# Altium PCB Analog_Modul.PcbDoc
Units mm, origin at the board's own origin, x right, y up, seen from the top; angles counter-clockwise.
Board outline 48 x 50.95 mm, 2 copper layers (Top Layer, Bottom Layer); 91 components, 67 nets, 367 pads, 112 vias.
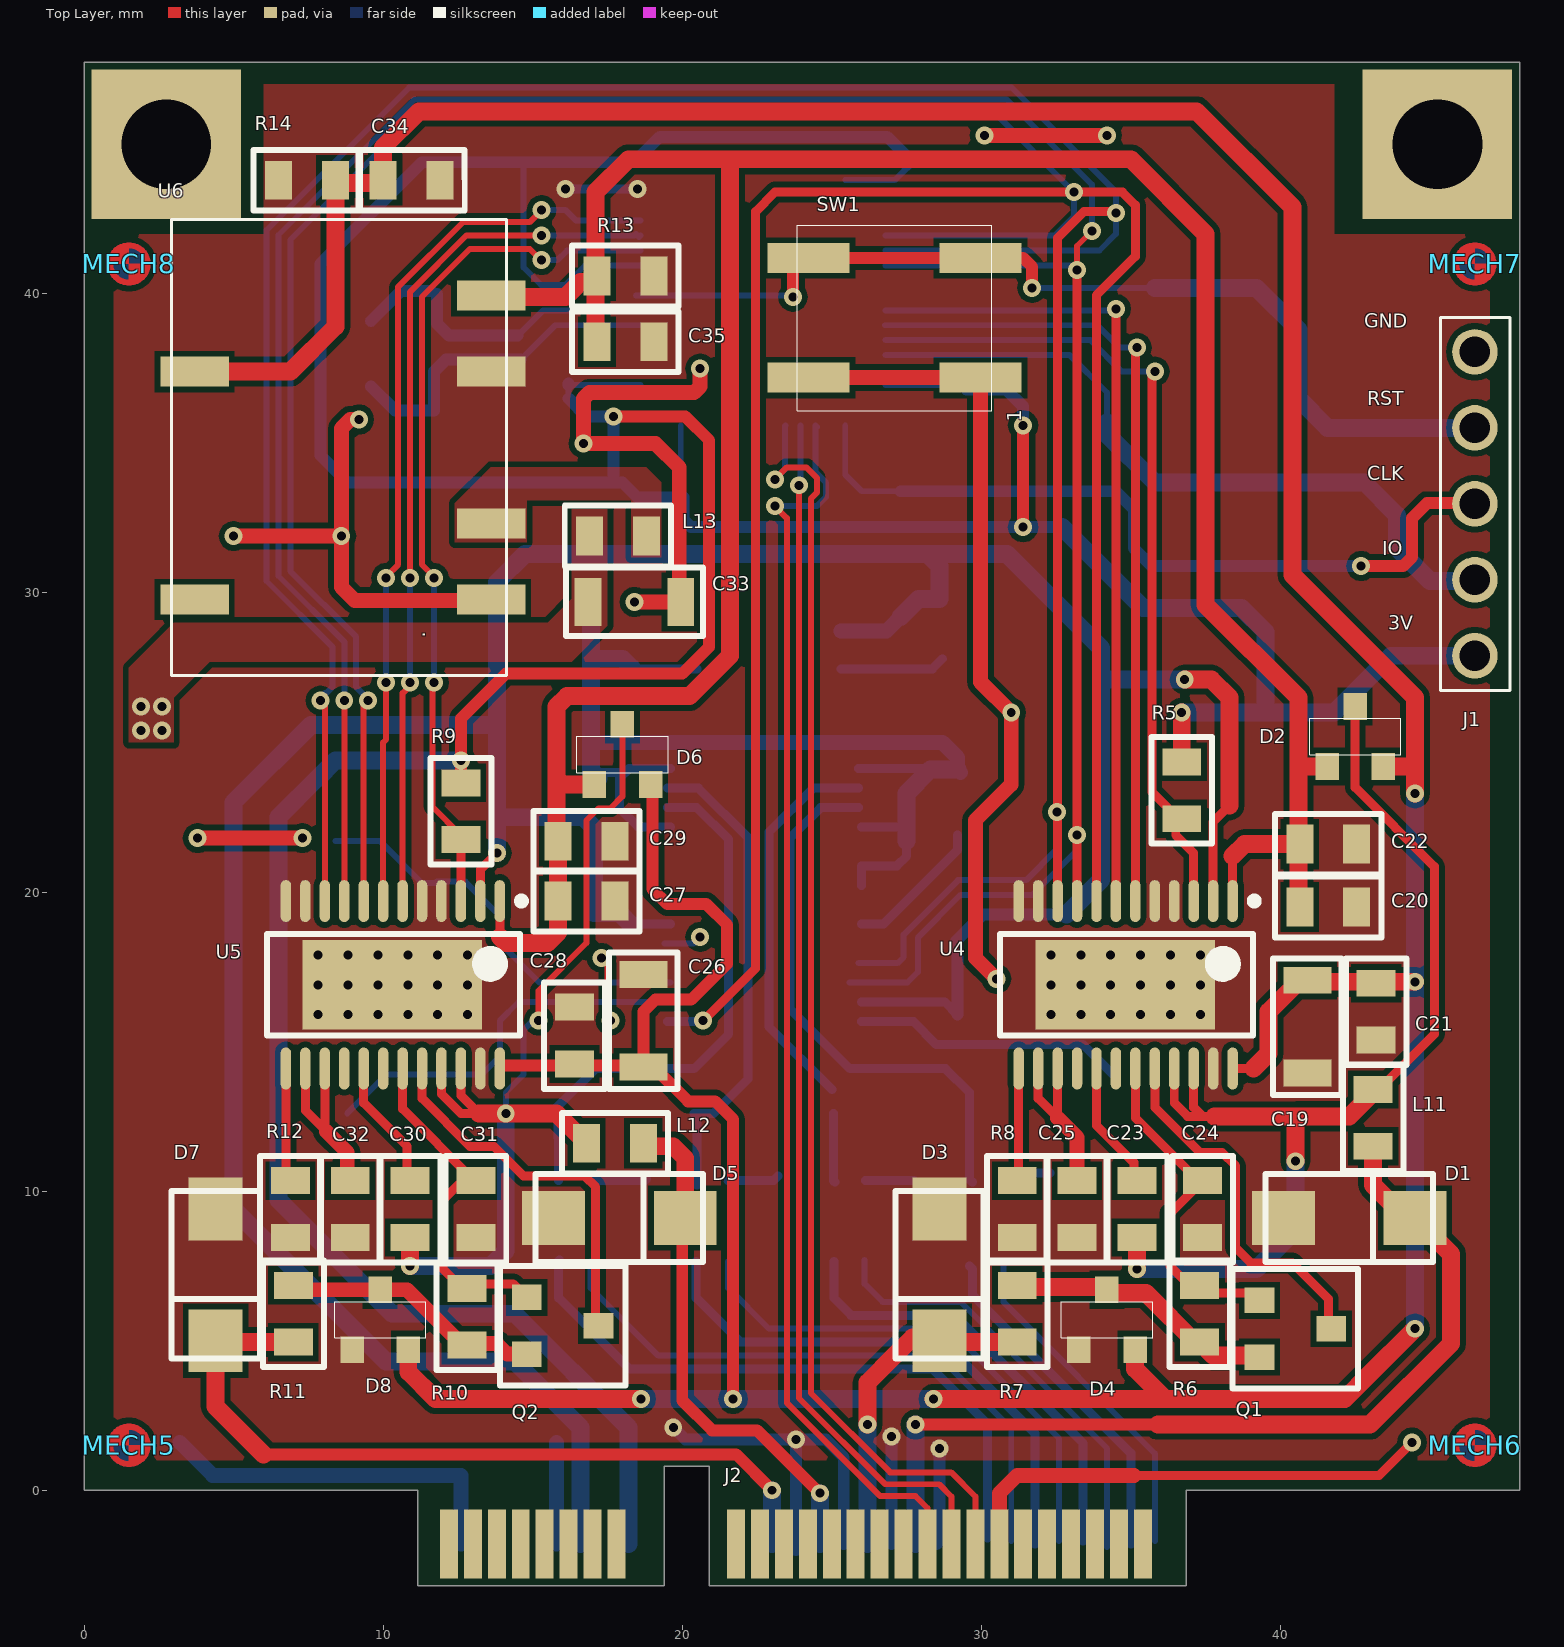
[diagram p0: Top Layer view]
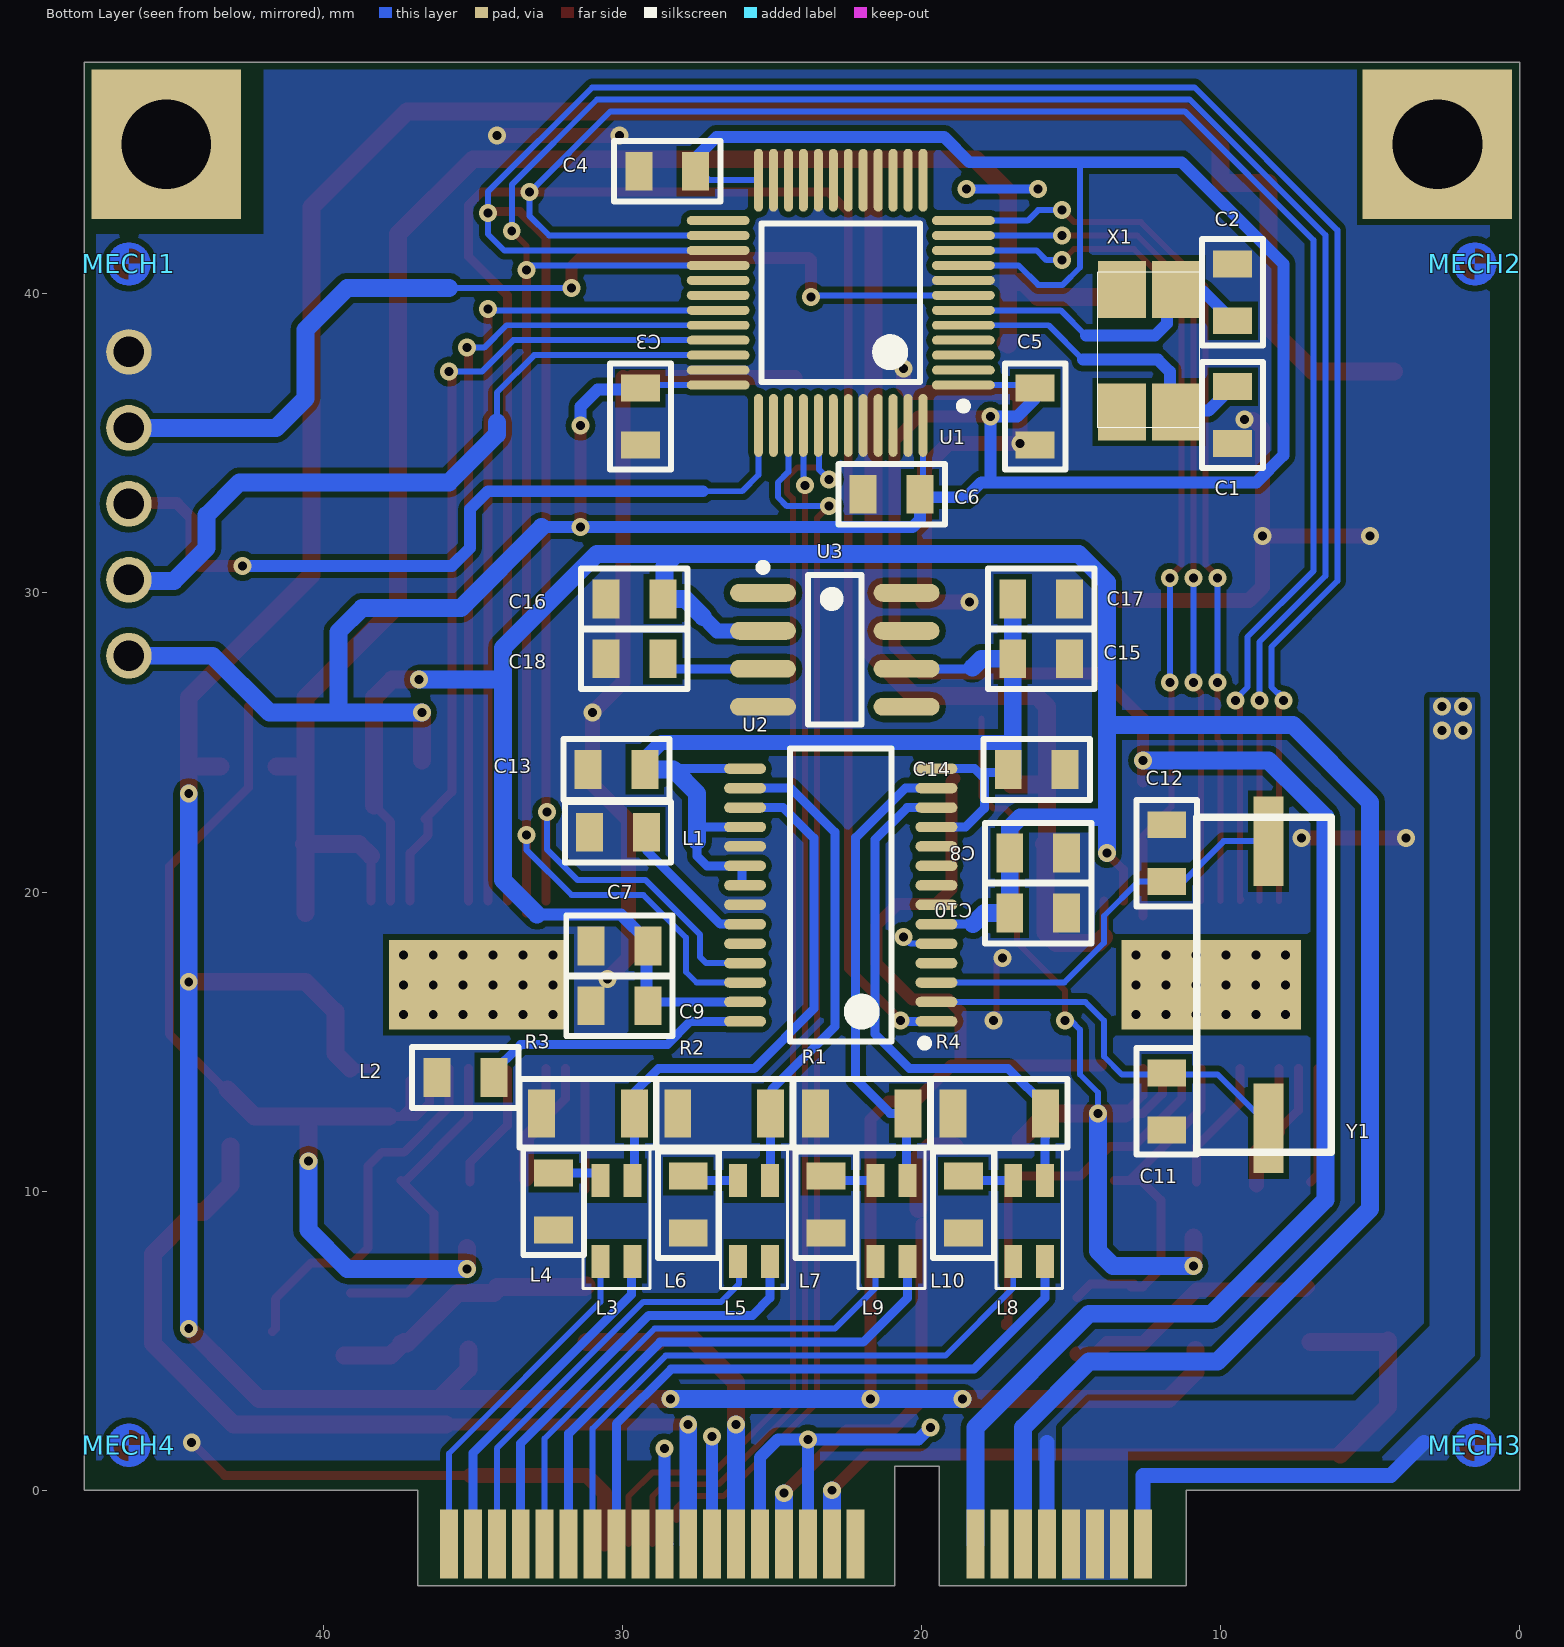
[diagram p1: Bottom Layer view, seen from below]
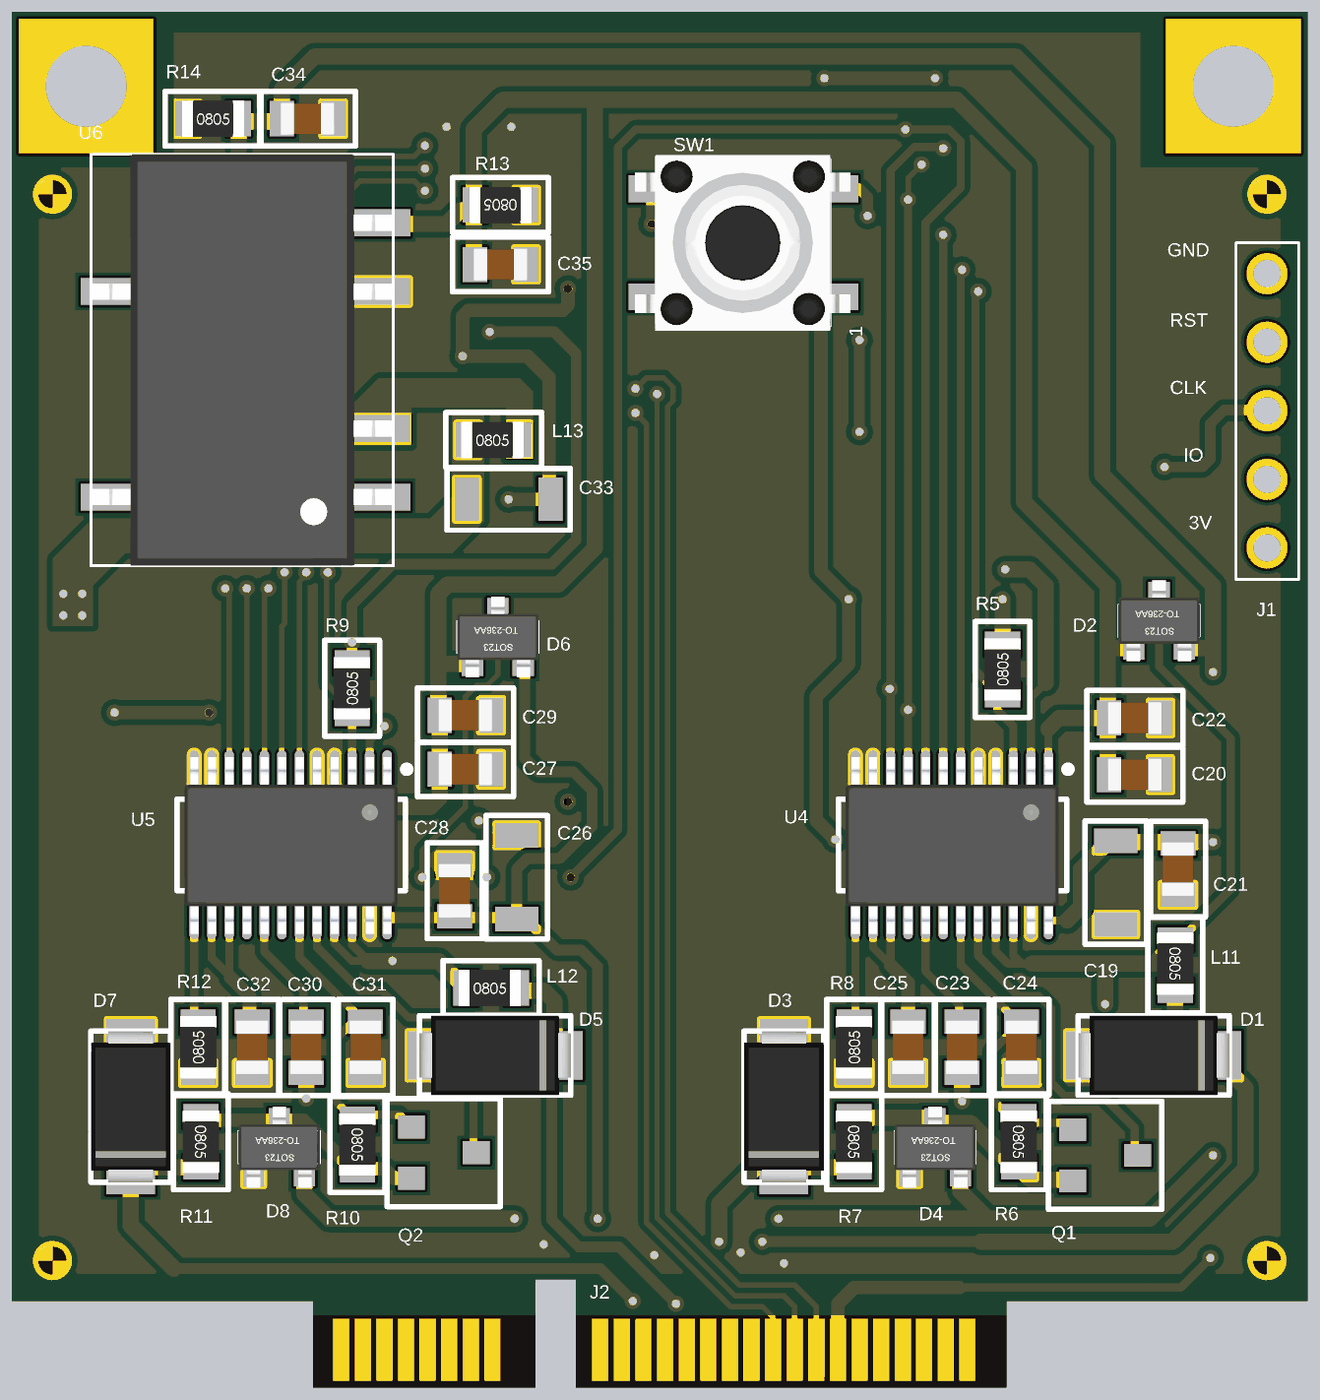
[diagram p2: 3D render of the assembled board from above, using the file's embedded part models]
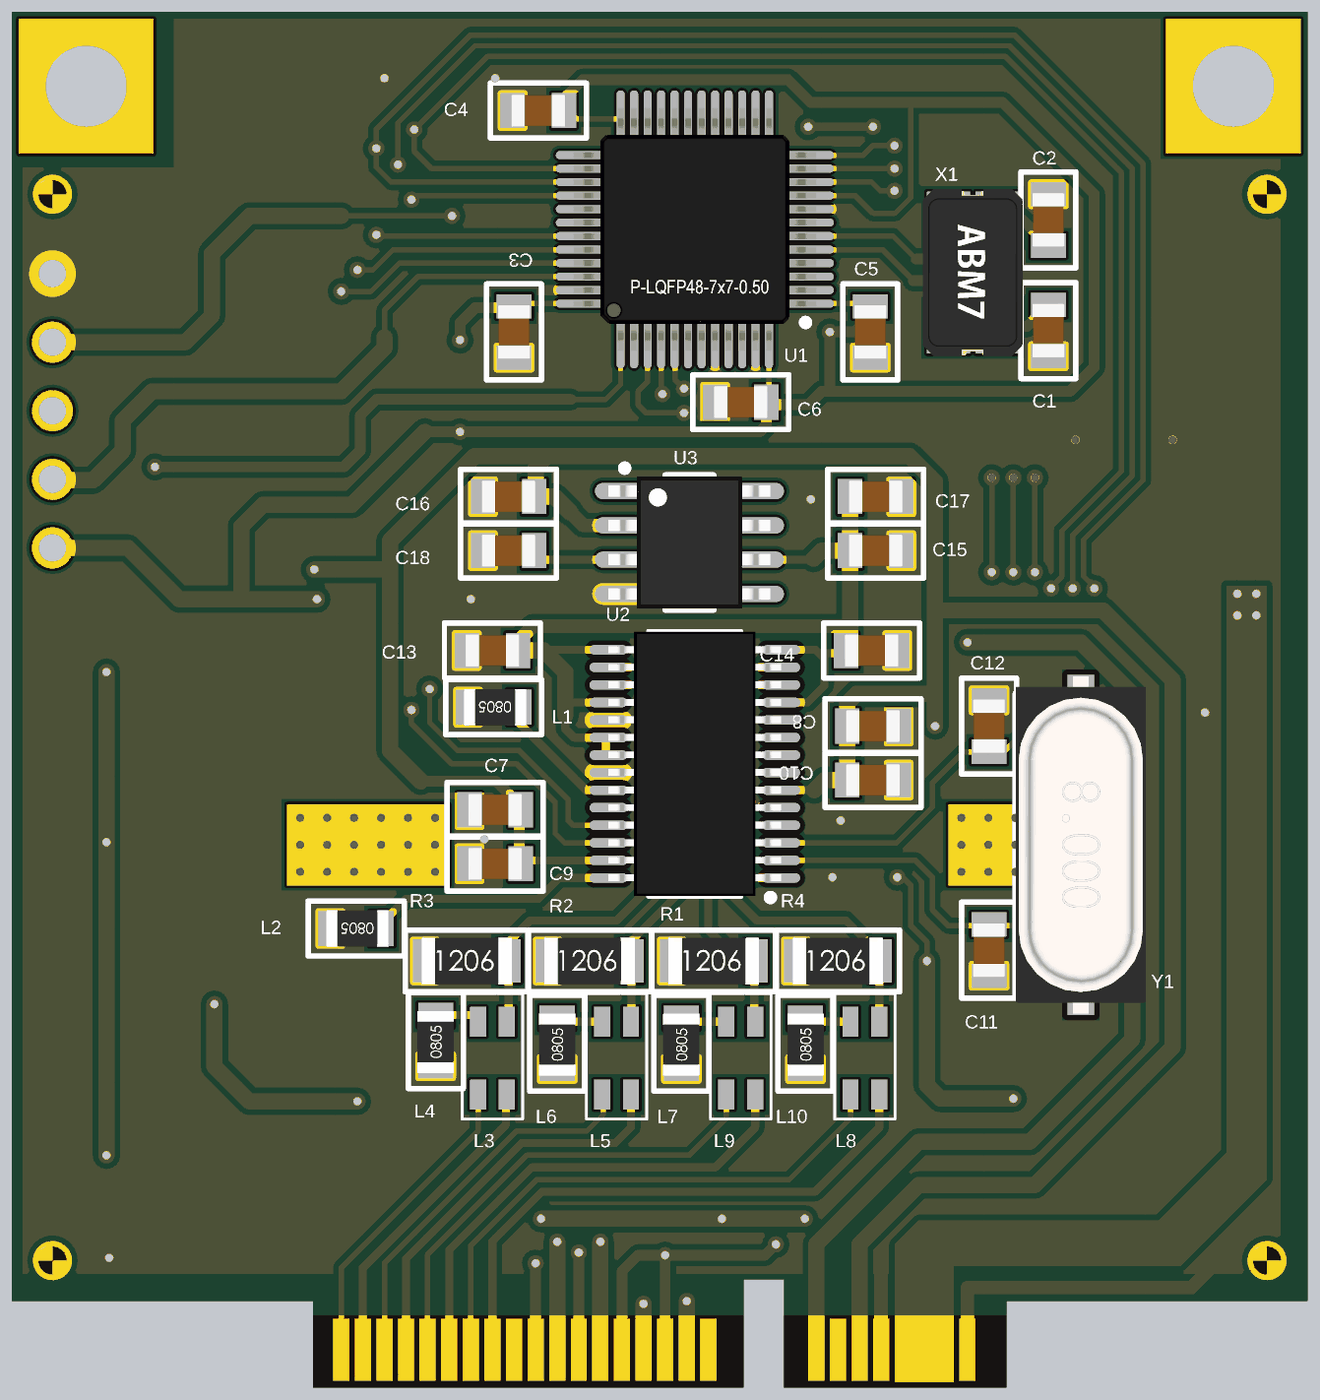
[diagram p3: 3D render of the assembled board from below, using the file's embedded part models]

## Layer stack, top to bottom
Top Solder: solder mask 0.0102, Solder Resist, Dk 3.5
Top Layer: signal copper 0.0356
Dielectric 1: dielectric 0.32, FR-4, Dk 4.8
Bottom Layer: signal copper 0.0356
Bottom Solder: solder mask 0.0102, Solder Resist, Dk 3.5

## Board outline
11.15,-3.2 11.15,0 0,0 0,47.75 48,47.75 48,0 36.85,0 36.85,-3.2 20.9,-3.2 20.9,0.8 19.4,0.8 19.4,-3.2

## Design rules (kind name [scope] priority, off if disabled: settings)
Clearance [All] p1: gap=0.2 ignorepadtopadclearanceinfootprint=FALSE except(0: Arc-Hole Track-Hole SMDPad-Hole THPad-Hole Via-Hole Fill-Hole Poly-Hole Region-Hole Text-Hole)
HoleSize [All] p1: absolutevalues=TRUE maxlimit=3 minlimit=0.025 maxpercent=80.000 minpercent=20.000
HoleToHoleClearance [All] p1: gap=0.1 allowstackedmicrovias=TRUE
MinimumSolderMaskSliver [All] p1: minsoldermaskwidth=0.001
PolygonConnect [All] p1: connectstyle=Direct reliefconductorwidth=0.5 reliefentries=4 polygonreliefangle="90 Angle" airgapwidth=0.3
RoutingVias [All] p1: holewidth=0.3 width=0.6 viastyle="Through Hole" minholewidth=0.3 minwidth=0.6 maxholewidth=0.3 maxwidth=0.6
SilkToSilkClearance [All] p1: silktosilkclearance=0.1
SilkToSolderMaskClearance [IsPad] p1: minsilkscreentomaskgap=0 clearancetoexposedcopper=TRUE
SolderMaskExpansion [All] p1: expansion=0.102 istentingtop=FALSE
Width [All] p1: maxlimit=2 minlimit=0.2 preferedwidth=0.2
25 further rules are at their usual default settings.

## Classes and differential pairs
net class SWD: SWCLK SWDIO
net class SPI_2: SPI2_MISO SPI2_MOSI SPI2_SCK
net class SPI_1: SPI1_MISO SPI1_MOSI SPI1_SCK
net class DAC_OUT: IOUT-1 IOUT-2 VOUT-1 VOUT-2
net class ADC_IN: AIN_1 AIN_2 AIN_3 AIN_4
component class "[04] - miniPCI": J2
component class "[03] - DAC8760": C19 C20 C21 C22 C23 C24 C25 C26 C27 C28 C29 C30 C31 C32 C33 C34 C35 D1 D2 D3 D4 D5 D6 D7 D8 L11 L12 L13 Q1 Q2 R5 R6 R7 R8 R9 R10 R11 R12 R13 R14 U4 U5 U6
component class "[02] - AD7734": C7 C8 C9 C10 C11 C12 C13 C14 C15 C16 C17 C18 L1 L2 L3 L4 L5 L6 L7 L8 L9 L10 R1 R2 R3 R4 U2 U3 Y1
component class "[01] - STM32F101": C1 C2 C3 C4 C5 C6 J1 MECH1 MECH2 MECH3 MECH4 MECH5 MECH6 MECH7 MECH8 SW1 U1 X1

## Components (designator, comment, footprint, x,y, rotation, side; value= is the part's Value field where it differs from the comment)
C1 "18PF" C0805 9.6,35.95 r270 bottom
C2 "18PF" C0805 9.6,40.05 r90 bottom
C3 "4.7µF" C0805 29.4,35.9 r90 bottom
C4 "10nF" C0805 28.5,44.1 r180 bottom
C5 "10nF" C0805 16.2,35.9 r90 bottom
C6 "10nF" C0805 21,33.3 r180 bottom
C7 "100nF" C0805 30.1,18.2 r180 bottom
C8 "100nF" C0805 16.1,21.3 r0 bottom
C9 "10µF" C0805 30.1,16.2 r180 bottom
C10 "10µF" C0805 16.1,19.3 r0 bottom
C11 "18PF" C0805 11.8,13 r90 bottom
C12 "18PF" C0805 11.8,21.3 r270 bottom
C13 "100nF" C0805 30.2,24.1 r180 bottom
C14 "100nF" C0805 16.15,24.1 r180 bottom
C15 "100nF" C0805 16,27.8 r180 bottom
C16 "10µF" C0805 29.6,29.8 r180 bottom
C17 "10µF" C0805 16,29.8 r0 bottom
C18 "10nF" C0805 29.6,27.8 r180 bottom
C19 "4.7UF 50V X7R" C1206 40.9,15.5 r270 top
C20 "10UF 50V X5R" C0805 41.6,19.5 r180 top
C21 "100nF" C0805 43.2,16 r270 top
C22 "100nF" C0805 41.6,21.6 r180 top
C23 "1µF" C0805 35.2,9.4 r270 top
C24 "22NF 50V X7R" C0805 37.4,9.4 r90 top
C25 "1µF" C0805 33.2,9.4 r90 top
C26 "4.7UF 50V X7R" C1206 18.7,15.7 r90 top
C27 "10UF 50V X5R" C0805 16.8,19.7 r180 top
C28 "100nF" C0805 16.4,15.2 r90 top
C29 "100nF" C0805 16.8,21.7 r180 top
C30 "1µF" C0805 10.9,9.4 r270 top
C31 "22NF 50V X7R" C0805 13.1,9.4 r90 top
C32 "1µF" C0805 8.9,9.4 r90 top
C33 "4.7UF 50V X7R" C1206 18.4,29.7 r0 top
C34 "1UF 50V X7R" C0805 10.95,43.8 r180 top
C35 "1UF 50V X7R" C0805 18.1,38.4 r180 top
D1 "TVS DIODE 15VWM 24.4VC SMC" DO-214Ac 44.5,9.1 r180 top
D2 "BAV99" "SOT23-3 - Number" 42.5,25.2 r0 top
D3 "TVS DIODE 15VWM 24.4VC SMC" DO-214Ac 28.6,5 r90 top
D4 "BAV99" "SOT23-3 - Number" 34.2,5.7 r0 top
D5 "TVS DIODE 15VWM 24.4VC SMC" DO-214Ac 20.1,9.1 r180 top
D6 "BAV99" "SOT23-3 - Number" 18,24.6 r0 top
D7 "TVS DIODE 15VWM 24.4VC SMC" DO-214Ac 4.4,5 r90 top
D8 "BAV99" "SOT23-3 - Number" 9.9,5.7 r0 top
J1 "Header" "HEADER 1X5 2.54MM" 46.5,38.06 r270 top locked
J2 "MINIPCIe" "MINI PCIe" 9,-3.2 r0 top locked
L1 "150 Ohm @ 100MHz" 0805 29.2,22 r0 bottom
L2 "150 Ohm @ 100MHz" 0805 34.3,13.8 r0 bottom
L3 "90 Ohm @ 100MHz" FILTER 30.2,9 r270 bottom
L4 "150 Ohm @ 100MHz" 0805 32.3,8.7 r90 bottom
L5 "90 Ohm @ 100MHz" FILTER 25.6,9 r270 bottom
L6 "150 Ohm @ 100MHz" 0805 27.8,8.6 r90 bottom
L7 "150 Ohm @ 100MHz" 0805 23.2,8.6 r90 bottom
L8 "90 Ohm @ 100MHz" FILTER 16.4,9 r270 bottom
L9 "90 Ohm @ 100MHz" FILTER 21,9 r270 bottom
L10 "150 Ohm @ 100MHz" 0805 18.6,8.6 r90 bottom
L11 "150 Ohm @ 100MHz" 0805 43.1,13.4 r270 top
L12 "150 Ohm @ 100MHz" 0805 16.8,11.6 r0 top
L13 "6.8UH 550MA" 0805 16.9,31.9 r0 top
MECH1 "MECH-Fidicuals" T-Fidicuals 46.5,41 r90 bottom
MECH2 "MECH-Fidicuals" T-Fidicuals 1.5,41 r90 bottom
MECH3 "MECH-Fidicuals" T-Fidicuals 1.5,1.5 r90 bottom
MECH4 "MECH-Fidicuals" T-Fidicuals 46.5,1.5 r90 bottom
MECH5 "MECH-Fidicuals" T-Fidicuals 1.5,1.5 r90 top locked
MECH6 "MECH-Fidicuals" T-Fidicuals 46.5,1.5 r90 top locked
MECH7 "MECH-Fidicuals" T-Fidicuals 46.5,41 r90 top
MECH8 "MECH-Fidicuals" T-Fidicuals 1.5,41 r90 top
Q1 "BC817-40,215" SO-G3/Y1 40.5,5.4 r270 top
Q2 "BC817-40,215" SO-G3/Y1 16,5.5 r270 top
R1 "RES SMD 475 OHM 1206" R1206 22,12.6 r180 bottom
R2 "RES SMD 475 OHM 1206" R1206 26.6,12.6 r180 bottom
R3 "RES SMD 475 OHM 1206" R1206 31.15,12.6 r180 bottom
R4 "RES SMD 475 OHM 1206" R1206 17.4,12.6 r180 bottom
R5 "R-10K,%1,0805" R0805 36.7,23.4 r90 top
R6 "R-1K,0805" R0805 37.3,5.9 r270 top
R7 "10 OHM" R0805 31.2,5.9 r270 top
R8 "15K OHM" R0805 31.2,9.4 r90 top
R9 "R-10K,%1,0805" R0805 12.6,22.7 r90 top
R10 "R-1K,0805" R0805 12.8,5.8 r270 top
R11 "10 OHM" R0805 7,5.9 r270 top
R12 "15K OHM" R0805 6.9,9.4 r90 top
R13 "3.3K OHM 0805" R0805 18.1,40.6 r180 top
R14 "3.3K OHM 0805" R0805 7.45,43.8 r0 top
SW1 "Switch_Pushbutton_smd" SW_B3SL-1022P 27.1,39.2 r0 top
U1 "IC-MC-STM32F101C8T6TR" STM-LQFP48_M 22.7,39.7 r0 bottom
U2 "AD7734BRUZ" TSSOP-28 22.7,19.9 r0 bottom
U3 "AD780ARZ" SOIC-8 22.9,28.1 r180 bottom
U4 "IC-DAC8760IPWPR" TSSOP-24 34.825,16.9 r270 top
U5 "IC-DAC8760IPWPR" TSSOP-24 10.325,16.9 r270 top
U6 "DC/DC CONV" ISA2415 13.61,29.78 r90 top
X1 "ABM7-8.000MHZ" sm_osc_mixed 12.4,38.1 r270 bottom
Y1 "ABLS-6.144MHZ" "HEADER,2PİN ADC" 8.4,16.8 r270 bottom

## Footprints (in the part's own frame and the unit in brackets; to place one, negate y for a bottom-side part, rotate by r counter-clockwise, add the part's x,y. Pads: shape width x height; smd on the part's side, far side on the other; paste and mask are expansions set on the pad)
0805 [mm]
  rect 0.9x1.3 smd: 1(0,0) 2(1.9,0)
  silkscreen extent -0.83,-1.02 2.73,1.02, body extent -0.25,-0.67 2.05,0.68, height 0.76
C0805 [mm]
  rect 0.9x1.3 smd: 1(-0.95,0) 2(0.95,0)
  silkscreen extent -1.78,-1.02 1.78,1.02, body extent -1,-0.6 1,0.6, height 0.95
C1206 [mm]
  rect 0.9x1.6 smd: 1(-1.55,0) 2(1.55,0)
  silkscreen extent -2.29,-1.14 2.29,1.14
DO-214Ac [mm]
  rect 2.1x1.8 smd: 1(0,0) 2(4.4,0)
  silkscreen extent -0.6,-1.47 5,1.48, body extent -0.6,-1.47 5,1.48, height 2.7